# Allegro board iMX6Rex module.brd (continued)
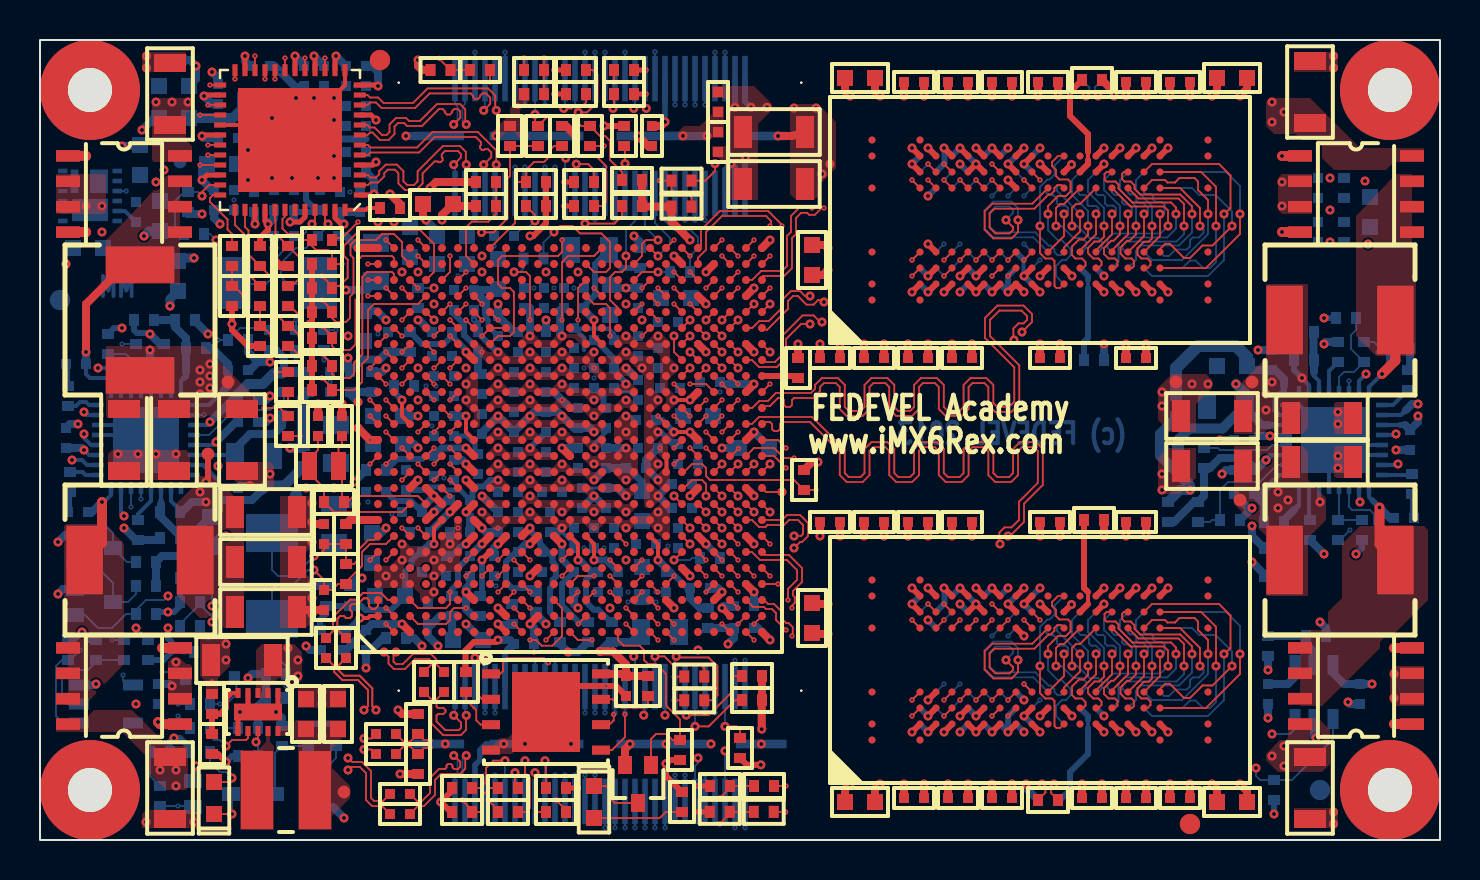
[diagram p0: board, top side]
## Nets (continued)
+DDR_VREF: C3.1 C4.1 C5.1 C6.1 C7.1 C8.1 C9.1 C10.1 C11.1 C18.2 C20.1 R11.1 R12.2 U1.AC2 U2.H1 U2.M8 U3.H1 U3.M8 U4.H1 U4.M8 U5.H1 U5.M8
+HDMI_VP: C75.1 R23.2 U1.L7
+HDMI_VPH: C76.1 R27.2 U1.M7
+LVDS_2V5: C77.1 C243.1 R34.2 U1.V7
+NVCC_CSI: C145.1 R76.1 U1.N7
+NVCC_ENET: C155.1 C156.1 R74.1 U1.R19
+NVCC_MIPI: C149.1 R78.1 U1.K7
+NVCC_RGMII: C152.1 R80.1 U1.G18
+PCIE_VP: C61.1 R13.2 U1.H7
+PCIE_VPH: C64.1 R14.2 U1.G7
+PCIE_VPTX: C62.1 FB1.2 U1.G8
+SATA_VP: C68.1 R18.2 U1.G13
+SATA_VPH: C73.1 R19.2 U1.G12
+VREF1_2V_1V5: C238.1 R135.2 U13.1
+VREF1_2V_1V375: C219.1 R120.1 U11.1
+VREF1_3V3_1V5: C237.1 R134.2 U13.5
+VREF1_3V3_1V375: C218.1 R119.2 U11.5
AUD3_CLK: J2.20 R160.2
AUD3_CLK_R: R160.1 U1.T5
AUD3_RXD: J2.22 U1.N3
AUD3_TXC: J2.16 R72.2
AUD3_TXC_R: R72.1 U1.N1
AUD3_TXD: J2.18 U1.P2
AUD3_TXFS: J2.24 U1.N4
BOARD_VARIANT_0: R111.1 R143.2 U1.G24
BOARD_VARIANT_1: R137.1 R144.2 U1.H25
BOOT_MODE: J1.50 Q9.1 R165.1
BOOT_MODE0: Q9.3 R58.2 R104.1 U1.C12
BOOT_MODE1: R57.2 R103.1 U1.F12
CFF: C179.2 U9.11
CLK1_C_N: C66.1 U1.C7
CLK1_C_P: C67.1 U1.D7
CLK1_N: C66.2 J2.46 R17.2
CLK1_P: C67.2 J2.48 R16.2
CPU_XTALI: C83.1 R37.1 R53.1 U1.A7 Y1.1
CPU_XTALO: C84.1 R53.2 U1.B7 Y1.2
CSPI2_CLK: J1.17 R159.2
CSPI2_CLK_R: R159.1 U1.U23
CSPI2_CS0: J1.19 U1.V25
CSPI2_MISO: J1.21 U1.U24
CSPI2_MOSI: J1.23 U1.T21
CSPI3_CLK: R112.2 U10.6
CSPI3_CLK_R: R112.1 U1.P24
CSPI3_CS2: U1.R25 U10.1
CSPI3_MISO: U1.P23 U10.2
CSPI3_MOSI: U1.P22 U10.5
DRAM0_ZQ: R4.2 U2.L8
DRAM1_ZQ: R5.2 U3.L8
DRAM2_ZQ: R8.2 U4.L8
DRAM3_ZQ: R9.2 U5.L8
DRAM_A0: U1.AC14 U2.N3 U3.N3 U4.N3 U5.N3
DRAM_A1: U1.AB14 U2.P7 U3.P7 U4.P7 U5.P7
DRAM_A2: U1.AA14 U2.P3 U3.P3 U4.P3 U5.P3
DRAM_A3: U1.Y14 U2.N2 U3.N2 U4.N2 U5.N2
DRAM_A4: U1.W14 U2.P8 U3.P8 U4.P8 U5.P8
DRAM_A5: U1.AE13 U2.P2 U3.P2 U4.P2 U5.P2
DRAM_A6: U1.AC13 U2.R8 U3.R8 U4.R8 U5.R8
DRAM_A7: U1.Y13 U2.R2 U3.R2 U4.R2 U5.R2
DRAM_A8: U1.AB13 U2.T8 U3.T8 U4.T8 U5.T8
DRAM_A9: U1.AE12 U2.R3 U3.R3 U4.R3 U5.R3
DRAM_A10: U1.AA15 U2.L7 U3.L7 U4.L7 U5.L7
DRAM_A11: U1.AC12 U2.R7 U3.R7 U4.R7 U5.R7
DRAM_A12: U1.AD12 U2.N7 U3.N7 U4.N7 U5.N7
DRAM_A13: U1.AC17 U2.T3 U3.T3 U4.T3 U5.T3
DRAM_A14: U1.AA12 U2.T7 U3.T7 U4.T7 U5.T7
DRAM_A15: U1.Y12 U2.M7 U3.M7 U4.M7 U5.M7
DRAM_CAS_B: U1.AE16 U2.K3 U3.K3 U4.K3 U5.K3
DRAM_CLK0_N: R2.1 U1.AE15 U4.K7 U5.K7
DRAM_CLK0_P: R2.2 U1.AD15 U4.J7 U5.J7
DRAM_CLK1_N: R3.1 U1.AE14 U2.K7 U3.K7
DRAM_CLK1_P: R3.2 U1.AD14 U2.J7 U3.J7
DRAM_CS0_B: U1.Y16 U2.L2 U3.L2 U4.L2 U5.L2
DRAM_D0: U1.AD2 U2.D7
DRAM_D1: U1.AE2 U2.B8
DRAM_D2: U1.AC4 U2.C8
DRAM_D3: U1.AA5 U2.A3
DRAM_D4: U1.AC1 U2.C2
DRAM_D5: U1.AD1 U2.C3
DRAM_D6: U1.AB4 U2.A2
DRAM_D7: U1.AE4 U2.A7
DRAM_D8: U1.AD5 U2.E3
DRAM_D9: U1.AE5 U2.F7
DRAM_D10: U1.AA6 U2.G2
DRAM_D11: U1.AE7 U2.H7
DRAM_D12: U1.AB5 U2.H3
DRAM_D13: U1.AC5 U2.F2
DRAM_D14: U1.AB6 U2.F8
DRAM_D15: U1.AC7 U2.H8
DRAM_D16: U1.AB7 U3.E3
DRAM_D17: U1.AA8 U3.F8
DRAM_D18: U1.AB9 U3.H7
DRAM_D19: U1.Y9 U3.H3
DRAM_D20: U1.Y7 U3.H8
DRAM_D21: U1.Y8 U3.G2
DRAM_D22: U1.AC8 U3.F7
DRAM_D23: U1.AA9 U3.F2
DRAM_D24: U1.AE9 U3.D7
DRAM_D25: U1.Y10 U3.A7
DRAM_D26: U1.AE11 U3.C3
DRAM_D27: U1.AB11 U3.C2
DRAM_D28: U1.AC9 U3.C8
DRAM_D29: U1.AD9 U3.B8
DRAM_D30: U1.AD11 U3.A2
DRAM_D31: U1.AC11 U3.A3
DRAM_D32: U1.AA17 U5.E3
DRAM_D33: U1.AA18 U5.G2
DRAM_D34: U1.AC18 U5.F8
DRAM_D35: U1.AE19 U5.H7
DRAM_D36: U1.Y17 U5.H3
DRAM_D37: U1.Y18 U5.F2
DRAM_D38: U1.AB19 U5.H8
DRAM_D39: U1.AC19 U5.F7
DRAM_D40: U1.Y19 U5.D7
DRAM_D41: U1.AB20 U5.B8
DRAM_D42: U1.AB21 U5.C2
DRAM_D43: U1.AD21 U5.A7
DRAM_D44: U1.Y20 U5.A2
DRAM_D45: U1.AA20 U5.C8
DRAM_D46: U1.AE21 U5.A3
DRAM_D47: U1.AC21 U5.C3
DRAM_D48: U1.AC22 U4.D7
DRAM_D49: U1.AE22 U4.C2
DRAM_D50: U1.AE24 U4.C3
DRAM_D51: U1.AC24 U4.B8
DRAM_D52: U1.AB22 U4.A7
DRAM_D53: U1.AC23 U4.C8
DRAM_D54: U1.AD25 U4.A3
DRAM_D55: U1.AC25 U4.A2
DRAM_D56: U1.AB25 U4.E3
DRAM_D57: U1.AA21 U4.G2
DRAM_D58: U1.Y25 U4.H7
DRAM_D59: U1.Y22 U4.F7
DRAM_D60: U1.AB23 U4.H3
DRAM_D61: U1.AA23 U4.F2
DRAM_D62: U1.Y23 U4.F8
DRAM_D63: U1.W25 U4.H8
DRAM_DQM0: U1.AC3 U2.D3
DRAM_DQM1: U1.AC6 U2.E7
DRAM_DQM2: U1.AB8 U3.E7
DRAM_DQM3: U1.AE10 U3.D3
DRAM_DQM4: U1.AB18 U5.E7
DRAM_DQM5: U1.AC20 U5.D3
DRAM_DQM6: U1.AD24 U4.D3
DRAM_DQM7: U1.Y21 U4.E7
DRAM_DQS0_N: U1.AD3 U2.B7
DRAM_DQS0_P: U1.AE3 U2.C7
DRAM_DQS1_N: U1.AE6 U2.G3
DRAM_DQS1_P: U1.AD6 U2.F3
DRAM_DQS2_N: U1.AE8 U3.G3
DRAM_DQS2_P: U1.AD8 U3.F3
DRAM_DQS3_N: U1.AB10 U3.B7
DRAM_DQS3_P: U1.AC10 U3.C7
DRAM_DQS4_N: U1.AE18 U5.G3
DRAM_DQS4_P: U1.AD18 U5.F3
DRAM_DQS5_N: U1.AE20 U5.B7
DRAM_DQS5_P: U1.AD20 U5.C7
DRAM_DQS6_N: U1.AE23 U4.B7
DRAM_DQS6_P: U1.AD23 U4.C7
DRAM_DQS7_N: U1.AA24 U4.G3
DRAM_DQS7_P: U1.AA25 U4.F3
DRAM_RAS_B: U1.AB15 U2.J3 U3.J3 U4.J3 U5.J3
DRAM_RESET_B: R7.2 U1.Y6 U2.T2 U3.T2 U4.T2 U5.T2
DRAM_SDBA0: U1.AC15 U2.M2 U3.M2 U4.M2 U5.M2
DRAM_SDBA1: U1.Y15 U2.N8 U3.N8 U4.N8 U5.N8
DRAM_SDBA2: U1.AB12 U2.M3 U3.M3 U4.M3 U5.M3
DRAM_SDCKE0: R6.2 U1.Y11 U2.K9 U3.K9 U4.K9 U5.K9
DRAM_SDODT0: U1.AC16 U2.K1 U3.K1 U4.K1 U5.K1
DRAM_WE_B: U1.AB16 U2.L3 U3.L3 U4.L3 U5.L3
EN_1V375: Q5.3 R93.2 R132.1 U11.27
ENET_LED_LINK: J1.56 R81.2
ENET_LED_RX: J1.55 R82.2
ENET_REF_CLK: R36.2 U1.V22
ENET_REF_CLK_R: R36.1 R99.2 U8.41
ETH_ISET: R84.1 U8.48
ETH_OSCI_25MHZ: C175.1 U8.46 Y3.2
ETH_OSCO_25MHZ: C176.1 U8.45 Y3.1
FB1_2V5: R147.1 R150.2 U13.11
FB1_3V3: R123.1 R126.2 U11.11
FB_3V0_SNVS: R138.1 R139.2 U12.5
HDMI_CEC: R25.1 U1.W4
HDMI_CEC_IN: J1.44 R22.1 R24.2 R25.2
HDMI_CLK_N: J1.45 U1.J5
HDMI_CLK_P: J1.47 U1.J6
HDMI_D0_N: J1.39 U1.K5
HDMI_D0_P: J1.41 U1.K6
HDMI_D1_N: J1.46 U1.J3
HDMI_D1_P: J1.48 U1.J4
HDMI_D2_N: J1.40 U1.K3
HDMI_D2_P: J1.42 U1.K4
HDMI_DDC: R24.1 R26.2 U1.K2
HDMI_HPD: C74.2 J1.43 R21.1 U1.K1
HDMI_RESREF: R30.2 U1.J1
I2C1_SCL: J2.14 R47.1 U1.N5
I2C1_SDA: J2.12 R46.1 U1.N6
I2C2_SCL: J1.36 R28.1 U1.U5
I2C2_SDA: J1.38 R29.1 U1.T7
I2C3_SCL: J2.19 R31.1 R157.2 U1.F21
I2C3_SDA: J2.17 R32.1 R156.2 U1.D24
I2C4_SCL: J1.35 R45.1 R157.1 U1.E15
I2C4_SDA: J1.37 R44.1 R156.1 U1.D16
JTAG_MOD: R61.2 U1.H6
JTAG_NTRST: J2.41 R62.1 U1.C2
JTAG_TCK: J2.43 R92.2
JTAG_TCK_R: R92.1 U1.H5
JTAG_TDI: J2.47 R90.2
JTAG_TDI_R: R63.1 R90.1 U1.G5
JTAG_TDO: J2.45 R161.2
JTAG_TDO_R: R161.1 U1.G6
JTAG_TMS: J2.49 R64.1 U1.C3
LED1: R82.1 R94.1 U8.17
LED2: R81.1 R102.2 U8.15
LGATE1_2V5: Q6.4 U13.18
LGATE1_3V3: Q3.4 U11.18
LGATE2_1V5: Q7.4 U13.23
LGATE2_1V375: Q4.4 U11.23
LVDS0_CABC: J2.6 R33.1 U1.A17
LVDS0_CLK_N: J2.13 U1.V4
LVDS0_CLK_P: J2.15 U1.V3
LVDS0_PWM: J2.5 U1.F18
LVDS0_TX0_N: J2.2 U1.U2
LVDS0_TX0_P: J2.4 U1.U1
LVDS0_TX1_N: J2.8 U1.U4
LVDS0_TX1_P: J2.10 U1.U3
LVDS0_TX2_N: J2.1 U1.V2
LVDS0_TX2_P: J2.3 U1.V1
LVDS0_TX3_N: J2.7 U1.W2
LVDS0_TX3_P: J2.9 U1.W1
NETC88_1: C88.1 U6.4
NETC211_2: C211.2 R122.1
NETC212_1: C212.1 R121.2
NETC230_2: C230.2 R145.1
NETC231_1: C231.1 R146.2
NETD2_1: D2.1 Q1.3
NETD2_2: D2.2 R113.1
NETD3_1: D3.1 Q2.3
NETD3_2: D3.2 R114.1
NETQ5_1: Q5.1 Q8.3 R131.1
NETR106_1: R106.1 U12.8
NETR109_2: R109.2 U10.7
NETR110_1: R110.1 U10.3
NETR121_1: R121.1 U11.24
NETR122_2: R122.2 U11.17
NETR124_1: R124.1 U11.31
NETR125_2: R125.2 U11.12
NETR128_1: R128.1 R133.2 U11.2
NETR145_2: R145.2 U13.17
NETR146_1: R146.1 U13.24
NETR148_1: R148.1 U13.31
NETR149_2: R149.2 U13.12
NETR152_1: R152.1 R155.2 U13.2
ON_5V_LDO: R127.1 U11.4
ON_5V_LDO_2: R151.1 U13.4
ON_OFF: J1.6 R48.1 U1.D12
PCIE_C_TX_N: C63.1 U1.A3
PCIE_C_TX_P: C65.1 U1.B3
PCIE_REXT: R15.2 U1.A2
PCIE_RX_N: J2.52 U1.B1
PCIE_RX_P: J2.54 U1.B2
PCIE_TX_N: C63.2 J2.51
PCIE_TX_P: C65.2 J2.53
PCIE_WAKE: J2.39 U1.P3
PHASE1_2V5: C230.1 L4.2 Q6.5 Q6.6 Q6.7 U13.16
PHASE1_3V3: C211.1 L1.2 Q3.5 Q3.6 Q3.7 U11.16
PHASE2_1V5: C231.2 L5.1 Q7.5 Q7.6 Q7.7 U13.25
PHASE2_1V375: C212.2 L2.1 Q4.5 Q4.6 Q4.7 U11.25
PMIC_ON_REQ: Q8.1 R73.1 U1.D11
PMIC_STBY_REQ: TP3.1 U1.F11
POK_1V5: R164.1 U13.14
POK_1V5_R: R154.1 R164.2 U13.28
POK_1V375: R108.1 U13.27
POK_1V375_R: R108.2 R130.1 U11.28
POK_2V5: R163.1 U11.14
POK_2V5_R: R153.1 R163.2 U13.13
POK_3V0_SNVS: R93.1 U12.7
POK_3V3: Q1.1 R107.1 U6.3 U7.4 U9.9
POK_3V3_R: R107.2 R129.1 U11.13
POR_BN: D1.1 R60.1 R70.1 U1.C11 U6.1
REFIN2_1V5: R134.1 R135.1 R158.2 U13.32
REFIN2_1V375: R119.1 R120.2 R136.2 U11.32
RGMII_INT: R88.2 R89.1 U1.W22 U8.38
RGMII_INT_R: R88.1 U1.V21
RGMII_MDC: R85.1 R87.1 U1.V20
RGMII_MDIO: R86.1 R162.1 U1.V23
RGMII_R_MDC: R85.2 U8.36
RGMII_R_MDIO: R86.2 U8.37
RGMII_R_RXCLK: R83.2 R101.2 U8.35
RGMII_R_TXCLK: R35.1 U1.D21
RGMII_RSTN: D1.2 R65.2 R75.1 U8.42
RGMII_RSTN_R: R65.1 U1.U21
RGMII_RXCLK: R83.1 U1.B25
RGMII_RXD0: R98.1 U1.C24 U8.32
RGMII_RXD1: R97.1 U1.B23 U8.31
RGMII_RXD2: R96.1 U1.B24 U8.28
RGMII_RXD3: R95.1 U1.D23 U8.27
RGMII_RXDV: R91.1 U1.D22 U8.33
RGMII_TXCLK: R35.2 U8.24
RGMII_TXD0: U1.C22 U8.19
RGMII_TXD1: U1.F20 U8.20
RGMII_TXD2: U1.E21 U8.21
RGMII_TXD3: U1.A24 U8.22
RGMII_TXEN: U1.C23 U8.25
RSTINN: J1.8 R68.1 U7.1
RSTOUTN: J1.7 R51.2 R70.2
RSTOUTN_R: R49.1 R51.1 U1.H19
RTC_XTALI: C85.1 R54.1 U1.D9 Y2.1
RTC_XTALO: C86.1 R54.2 U1.C9 Y2.2
SATA_C_RX_N: C69.1 U1.A14
SATA_C_RX_P: C70.1 U1.B14
SATA_C_TX_N: C71.1 U1.B12
SATA_C_TX_P: C72.1 U1.A12
SATA_REXT: R20.2 U1.C14
SATA_RX_N: C69.2 J2.58
SATA_RX_P: C70.2 J2.60
SATA_TX_N: C71.2 J2.57
SATA_TX_P: C72.2 J2.59
SD2_ACT: J2.11 U1.T3
SD2_CD: J2.38 R42.1 U1.F16
SD2_CLK: J2.36 R66.2
SD2_CLK_R: R66.1 U1.C21
SD2_CMD: J2.21 R41.1 R52.2
SD2_CMD_R: R52.1 U1.F19
SD2_DATA0: J2.26 U1.A22
SD2_DATA1: J2.23 U1.E20
SD2_DATA2: J2.28 U1.A23
SD2_DATA3: J2.25 U1.B22
SD2_DATA4: J2.30 U1.A19
SD2_DATA5: J2.27 U1.B18
SD2_DATA6: J2.32 U1.E17
SD2_DATA7: J2.29 U1.C18
SD2_WP: J2.34 R43.1 U1.D17
SD3_CD: J1.34 R39.1 U1.A18
SD3_CLK: J1.27 R50.2
SD3_CLK_R: R50.1 U1.D14
SD3_CMD: J1.33 R1.2 R38.1
SD3_CMD_R: R1.1 U1.B13
SD3_DATA0: J1.29 U1.E14
SD3_DATA1: J1.30 U1.F14
SD3_DATA2: J1.31 U1.A15
SD3_DATA3: J1.32 U1.B15
SD3_WP: J1.25 R40.1 U1.C17
SENSE_1V5: R59.1 R67.2 U6.5
SW_3V0_SNVS: L3.1 U12.9
SW_EP: U9.3 U9.4 U9.5 U9.6 U9.14
TAMPER: R55.1 U1.E11
TEST_MODE: R56.2 U1.E12
TRD0_N: J1.57 U8.3
TRD0_P: J1.59 U8.2
TRD1_N: J1.51 U8.6
TRD1_P: J1.53 U8.5
TRD2_N: J1.58 U8.8
TRD2_P: J1.60 U8.7
TRD3_N: J1.52 U8.11
TRD3_P: J1.54 U8.10
UART1_CTS: J1.11 U1.G21
UART1_DCD: J1.16 U1.D25
UART1_DSR: J1.9 U1.G22
UART1_DTR: J1.15 U1.F22
UART1_RI: J1.10 U1.F23
UART1_RTS: J1.13 U1.G20
UART1_RXD: J1.14 U1.M3
UART1_TXD: J1.12 U1.M1
UART2_CTS: J2.31 U1.B20
UART2_RTS: J2.33 U1.C19
UART2_RXD: J2.35 U1.E18
UART2_TXD: J2.37 U1.D19
UGATE1_2V5: Q6.1 U13.15
UGATE1_3V3: Q3.1 U11.15
UGATE2_1V5: Q7.1 U13.26
UGATE2_1V375: Q4.1 U11.26
USB0_ID: J1.20 U1.T4
USB0_N: J1.22 U1.B6
USB0_P: J1.24 U1.A6
USB0_PWR_EN: J1.26 U1.E23
USB1_N: J2.40 U1.F10
USB1_P: J2.42 U1.E10
USB1_PWR_EN: J2.44 U1.H21
USB_OC: J1.28 R100.1 U1.H20 U1.J20
USER_LED: Q2.1 R115.1 U1.T1
WD_OUT: R71.1 U1.R22
WD_OUT_R: R69.1 R71.2 U7.2
ZQPAD: R10.1 U1.AE17

Pads without a net: FID1 1; FID2 1; FID3 1; FID4 1; J1 49 65 66; J2 65 66; U1 A9 A10 A11 A16 A20 A21 AA1 AA2 AA3 AA4 AA11 AB1 AB2 AB17 AD17 B8 B9 B10 B11 B16 B17 B19 B21 C5 C8 C13 C15 C16 C20 C25 D1 D2 D4 D5 D13 D15 D18 D20 E1 E2 E3 E4 E13 E16 E19 E22 E24 E25 F1 F2 F3 F4 F13 F15 F17 F24 F25 G1 G2 G4 G23 G25 H1 H2 H3 H4 H22 H23 H24 J19 J21 J22 J23 J24 J25 K20 K21 K22 K23 K24 K25 L1 L3 L4 L6 L20 L21 L22 L23 L24 L25 M2 M4 M5 M6 M20 M21 M22 M23 M24 M25 N2 N19 N20 N21 N22 N23 N24 N25 P1 P4 P5 P6 P20 P21 P25 R1 R2 R3 R4 R5 R6 R7 R20 R21 R23 R24 T2 T6 T20 T22 T23 T24 T25 U6 U7 U20 U22 U25 V5 V6 V24 W5 W6 W20 W21 W23 W24 Y1 Y2 Y3 Y4; U2 J1 J9 L1 L9 MECH01 MECH02 MECH03 MECH04 MECH05 MECH06 MECH07 MECH08 MECH09 MECH10 MECH11 MECH12 MECH13 MECH14 MECH15 MECH16; U3 J1 J9 L1 L9 MECH01 MECH02 MECH03 MECH04 MECH05 MECH06 MECH07 MECH08 MECH09 MECH10 MECH11 MECH12 MECH13 MECH14 MECH15 MECH16; U4 J1 J9 L1 L9 MECH01 MECH02 MECH03 MECH04 MECH05 MECH06 MECH07 MECH08 MECH09 MECH10 MECH11 MECH12 MECH13 MECH14 MECH15 MECH16; U5 J1 J9 L1 L9 MECH01 MECH02 MECH03 MECH04 MECH05 MECH06 MECH07 MECH08 MECH09 MECH10 MECH11 MECH12 MECH13 MECH14 MECH15 MECH16; U8 43; U11 9; U13 9

## Via types
v1: diameter 0.45, hole 0.2, TOP to BOTTOM, 761 vias
v2: diameter 0.27, hole 0.1, TOP to L2, 305 vias
v3: diameter 0.27, hole 0.1, L2 to L3, 290 vias
v4: diameter 0.45, hole 0.2, L3 to L10, 197 vias
v5: diameter 0.27, hole 0.1, L10 to L11, 142 vias
v6: diameter 0.27, hole 0.1, L11 to BOTTOM, 185 vias

## Routing (per net, layer and track width the routed paths; a pad name or vN(x,y) marks a point on that pad's centre or on a via; arc(x,y) is an arc through that point)
+1V1_NVCC_PLL_OUT: length 10.5
  TOP w0.2: v1(19.7,14.8) 19.7,15.6 U1.E8
  BOTTOM w0.3: R77.2 14,11 14.3,11.3 R79.2 R105.1 16.07,11.7 16.27,11.5 17.55,11.5 C151.1 18.25,13.41 18.57,13.74 18.57,13.98 19,14.4 C150.1 19.05,14.35
  BOTTOM w0.4: v1(19.7,14.8) 19.5,14.8 C150.1
+1V1_VDDSOC_CAP: length 11.6
  TOP w0.4: v1(26.1,19.6) U1.N12
  BOTTOM w0.15: C113.1 28.9,22.4 29.47,22.4 29.87,22 C114.1 ; C116.1 C115.1
  BOTTOM w0.4: v1(29.3,17.2) U1.T10 C115.1 ; FB1.1 20.6,10.05 R13.1 20,11.2 19.6,10.8 C78.1 19.4,10.2 v1(19.9,9.7) ; R18.1 C246.1 15.5,22.3 v1(15.9,21.9) ; R23.1 24.8,11.3 v1(25.3,10.8) ; v1(26.1,19.6) C138.1
  vias: v1(29.3,21.2) v1(29.3,20.4)
+1V2_ETH: length 6.2
  BOTTOM w0.4: FB5.1 11.1,35.5 10.8,35.8 10.8,36.2 10.25,36.75 ; R105.2 15.9,13.1 v1(16.1,13.1)
  BOTTOM w0.5: FB4.1 10.25,36.7 9.65,36.1 FB3.1 7.35,36.1
  vias: v1(5.8,32.9) v1(6.2,33.5)
+1V2_ETH_AVDDL: length 7.5
  TOP w0.25: U8.4 16.65,33.75 v1(16.8,33.9) ; v1(16.8,36) 16.55,36.25 U8.9
  BOTTOM w0.3: 14.3,35.05 13.95,35.4 C186.1
  BOTTOM w0.35: 16.3,35.05 14.3,35.05
  BOTTOM w0.4: FB4.2 12.35,36.4 13.5,36.4 13.9,36 13.9,35.4
+1V2_ETH_AVDDL_PLL: length 8.1
  TOP w0.25: v1(12.5,30.9) 13,30.9 13.25,31.15 U8.44
  BOTTOM w0.3: 13.9,31.4 14,31.4 C192.1 ; 13.9,31.4 12.7,31.4 ; 13.9,31.4 13.3,32 13.3,33.07 12.37,34 C191.1
  BOTTOM w0.4: C191.1 12.35,33.9 ; 12.35,33.9 12.45,33.9 ; 12.35,33.9 11.3,33.9 FB5.2 ; C193.1 12.7,31.1 v1(12.5,30.9)
+1V2_ETH_DVDDL: length 12.3
  TOP w0.25: U8.18 v1(12.75,39.2) ; U8.26 8.2,37.25 v1(8.2,37.2) ; U8.23 v1(10.25,39.2) ; v1(10.75,30.8) U8.39 ; v1(14.8,39.2) 14.75,39.15 U8.14 ; v1(8.1,35.2) 8.1,35.1 8.25,35.25 U8.30
  BOTTOM w0.4: v1(14.8,39.2) C185.1 ; C248.1 13.2,38.75 v1(12.75,39.2) ; v1(8.1,35.2) 8.2,35.1 C183.1 ; C184.1 8.6,36.8 v1(8.2,37.2) ; v1(10.75,30.8) 10.75,31.35 C182.1 ; FB3.2 5.7,36.1 v1(5.1,35.5) ; 7.35,37.6 C180.1 7.8,38.05 v1(7.8,38.7) 7.5,39 C181.1 ; v1(10.25,39.2) 10.25,38.95 C249.1
+1V2_VDD_ARM_CAP: length 7.2
  BOTTOM w0.2: v1(27.7,19.6) 27.7,19.8 28.3,20.4 C97.1
  BOTTOM w0.25: C103.1 21.75,19.45 21.75,19.79 21.34,20.2 C98.1
  BOTTOM w0.35: C102.1 29.41,18.6 30.1,17.91 C106.1
  BOTTOM w0.4: v1(27.7,18) C105.1 C102.1 ; C101.1 18.7,19.8 v1(18.9,19.6)
  vias: v1(22.9,20.4) v1(22.9,18.8) v1(24.5,20.4) v1(24.5,18.8) v1(26.1,20.4) v1(26.1,18.8)
+1V5_DDR: length 82.2
  TOP w0.3: v1(45.2,27.4) U4.C1 ; U2.K8 v1(51.57,11.77) ; v1(49.2,33.8) U4.H9 ; v1(47.6,5.4) U2.F1 ; U2.G7 v1(49.2,10.2) ; v1(46,34.6) U4.D9 ; v1(46,28.2) U4.D2 ; v1(46,6.2) U2.D2 ; U2.K2 v1(51.6,6.2) ; v1(44.4,28.2) U4.B2 ; U4.K2 v1(51.6,28.2) ; v1(49.2,28.2) U4.H2 ; v1(49.2,6.2) U2.H2 ; U4.N9 v1(54,34.6) ; U4.K8 v1(51.57,33.77) ; v1(43.6,5.4) U2.A1 ; v1(48.4,33) U4.G7 ; v1(47.6,27.4) U4.F1 ; U2.N1 v1(54,5.4) ; U4.N1 v1(54,27.4) ; v1(45.2,34.6) U4.C9 ; U2.R1 v1(55.6,5.4) ; v1(45.2,12.6) U2.C9 ; v1(43.6,27.4) U4.A1 ; v1(46.8,34.6) U4.E9 ; U2.N9 v1(54,12.6) ; U4.A8 v1(43.6,33.8) ; U4.R9 v1(55.6,34.6) ; v1(45.2,5.4) U2.C1 ; v1(49.2,11.8) U2.H9 ; v1(43.6,11.8) U2.A8 ; U2.R9 v1(55.6,12.6) ; v1(46,12.6) U2.D9 ; U4.R1 v1(55.6,27.4) ; v1(44.4,6.2) U2.B2 ; v1(46.8,12.6) U2.E9
  TOP w0.4: v1(39.4,11.8) 38.65,11.8 C12.1 ; C16.1 58.85,37.45 v1(58.6,37.2) ; C15.1 41.75,37.45 v1(42,37.2) ; v1(39.4,28.5) 39.15,28.25 C17.1 ; v1(42,2.8) 41.75,2.55 C14.1 ; C27.1 v1(43.2,2.8) ; C32.1 v1(54.3,24.8) ; C13.1 58.85,2.55 v1(58.6,2.8) ; v1(56.5,37.2) C35.1 ; v1(40,15.2) C26.1 ; C31.1 v1(44.4,24.8) ; v1(42.2,15.2) C24.1 ; C21.1 v1(56.5,2.8) ; C30.1 v1(54.3,2.8) ; C33.1 v1(46.6,24.8) ; C39.1 v1(40,24.8) ; C29.1 v1(48.6,2.8) ; v1(46.6,15.2) C23.1 ; v1(48.6,37.2) C34.1 ; v1(44.4,15.2) C25.1 ; C40.1 v1(42.2,24.8) ; v1(54.3,37.2) C38.1 ; v1(46.4,37.2) C37.1 ; v1(54.3,15.2) C22.1 ; C28.1 v1(46.4,2.8) ; v1(44.2,37.2) C36.1
  BOTTOM w0.2: U13.30 63.95,16.95 v1(64,16.9) ; 49.15,29.05 49.17,29.03 49.17,28.22 v1(49.2,28.2)
  BOTTOM w0.3: U3.E9 v1(47.6,5.4) ; U2.K2 v1(51.6,6.2) ; v1(45.2,12.6) 45.22,12.58 45.22,11.83 U3.B2 ; U2.N1 v1(54,5.4) ; v1(46,33.8) U5.D2 ; U4.N1 v1(54,27.4) ; U2.R1 v1(55.6,5.4) ; U5.B2 45.22,33.83 45.22,34.57 v1(45.2,34.6) ; U4.K8 v1(51.57,33.77) ; v1(43.6,11.8) U3.A1 ; U2.R9 v1(55.6,12.6) ; U4.R1 v1(55.6,27.4) ; v1(46,27.4) U5.D9 ; v1(46,5.4) U3.D9 ; v1(49.2,6.2) U3.H9 ; v1(45.2,5.4) U2.C1 ; U2.C9 v1(46,12.6) ; v1(49.2,33.8) U5.H2 ; U4.K2 v1(51.6,28.2) ; C170.1 31.63,19.8 31.03,20.4 v1(30.9,20.4) ; U3.G7 v1(49.2,7) ; U5.A8 v1(44.4,28.2) ; v1(45.2,27.4) U4.C1 ; U3.F1 v1(48.4,12.6) ; v1(49.2,11.8) U3.H2 ; U4.N9 v1(54,34.6) ; U3.A8 v1(44.4,6.2) ; v1(43.6,33.8) U5.A1 ; U4.C9 v1(46,34.6) ; 49.15,29.05 U5.G7 ; v1(46,11.8) U3.D2 ; U5.F1 v1(48.4,34.6) ; U2.K8 v1(51.57,11.77) ; U2.N9 v1(54,12.6) ; U4.R9 v1(55.6,34.6) ; U5.E9 v1(47.6,27.4) ; U5.H9 v1(49.2,28.2)
  BOTTOM w0.4: v1(46.4,37.2) C37.1 ; v1(44.2,37.2) C36.1 ; v1(40,15.2) C26.1 ; v1(44.4,15.2) C25.1 ; C40.1 v1(42.2,24.8) ; C33.1 v1(46.6,24.8) ; C158.1 31.5,16.6 v1(30.9,17.2) 31.5,17.8 C162.1 ; v1(54.3,37.2) C38.1 ; C30.1 v1(54.3,2.8) ; v1(42.2,15.2) C24.1 ; C21.1 v1(56.5,2.8) ; C32.1 v1(54.3,24.8) ; C29.1 v1(48.6,2.8) ; C28.1 v1(46.4,2.8) ; C39.1 v1(40,24.8) ; v1(48.6,37.2) C34.1 ; v1(56.5,37.2) C35.1 ; v1(46.6,15.2) C23.1 ; v1(61.4,8.5) R59.2 ; C31.1 v1(44.4,24.8) ; C27.1 v1(43.2,2.8) ; v1(54.3,15.2) C22.1 ; v1(34.1,19.6) C172.1
  vias: v1(29.3,24.4) v1(30.1,26) v1(30.1,23.6) v1(30.9,22) v1(30.9,18.8) v1(61.9,17.4) v1(61.9,16.6) v1(62.4,17) v1(64.5,33.1) v1(66.25,32.95)
+1V375: length 15.1
  L3 w0.4: v1(8,22.9) 7.1,22.9 v1(5.5,24.5)
  BOTTOM w0.2: 5.9,23.1 6.05,22.95 U11.30
  BOTTOM w0.3: 5.5,23.6 5.5,23.5 5.9,23.1
  BOTTOM w0.4: C92.1 22.1,20.38 22.9,21.18 v1(22.9,21.2) C93.1 v1(24.5,21.2) 24.7,21.4 C94.1 25.9,21.4 v1(26.1,21.2) 26.7,20.6 C95.1 27.5,20.6 v1(27.7,20.4) ; v1(13.3,9.7) 13.5,9.5 R77.1 ; 5.5,23.6 v1(5.5,24.5) ; C111.1 v1(18.9,21.2)
  BOTTOM w0.45: v1(5.2,30.2) 5.45,30.45 FB8.2
  vias: v1(8,23.5) v1(8,22.3) v1(8.5,23.8) v1(8.5,23.2) v1(8.5,22.6) v1(16.9,30.9) v1(17.7,30.9) v1(24.5,17.2) v1(26.1,16.4) v1(27.7,16.4) v1(29.3,16.4)
+1V375_VDDSOC_IN: length 8
  BOTTOM w0.3: C119.1 27.77,25 28.7,24.07 C121.1 28.7,23.45 29.3,22.85 v1(29.3,22.8) ; C122.1 21.9,24.55 21.2,25.25 21.2,25.8 20.7,26.3 C125.1
  BOTTOM w0.4: C122.1 21.9,23.5 C126.1 ; v1(17.3,26) 16.85,26.45 C128.1
  vias: v1(18.1,28.4) v1(18.9,28.4) v1(22.9,22.8) v1(24.5,22.8) v1(26.1,22.8) v1(27.7,22) v1(29.3,26.8)
+2V5: length 15
  BOTTOM w0.2: U13.10 63.45,22.75 v1(63.1,23.1)
  BOTTOM w0.3: R14.1 17.3,10 17.4,10 ; R147.2 62.7,23.5 v1(63.1,23.1)
  BOTTOM w0.4: R14.1 17.16,10.1 16.56,9.5 C244.1 v1(16.3,8.6) ; R80.2 C153.1 17.36,24.4 16.98,24.02 16.12,24.02 C247.1 15.4,23.5 v1(15.4,24.1) ; R78.2 26,9.8 v1(26.4,9.4) 26.9,9.4 R27.1 ; R74.2 30,29.9 v1(29.7,30.2) ; v1(15.7,17.9) R19.1 ; R34.1 C245.1 34.7,10.1 v1(34.4,9.8)
  BOTTOM w0.45: FB6.1 6.5,27.05 v1(6.5,26.7)
  vias: v1(61.3,22.3) v1(61.3,21.5) v1(61.6,22.9)
+2V5_ETH_DVDDH: length 19.3
  TOP w0.25: v1(13.7,39.2) 13.75,39.15 U8.16 ; v1(8.1,33) 8.35,33.25 U8.34 ; v1(11.4,30.8) 11.25,30.95 U8.40
  TOP w0.3: R91.2 R97.2 13.6,24.4 v1(13.5,24.4) 13.6,24.5 R96.2 13.6,25.8 ; 13.6,28.9 R75.2 R95.2 R98.2 13.6,25.8 ; 13.6,25.8 v1(13.5,25.8) ; R89.2 11,30.1 11.4,30.5 v1(11.4,30.8) ; R87.2 v1(9.6,25.8) 9.6,25.5 10.4,24.7 R162.2
  TOP w0.4: v1(18.9,39) 18.9,38.7 19.1,38.5 R94.2
  BOTTOM w0.4: C195.1 8.7,31.1 v1(9,30.8) ; v1(11.4,30.8) 11.7,31.1 C198.1 ; C197.1 8.65,32.45 v1(8.1,33) 8.1,33.55 C194.1 ; v1(13.7,39.2) C196.1
  BOTTOM w0.45: FB6.2 7.05,29.1 v1(7.7,29.1)
+2V5_VDDHIGH_VPH: length 6.7
  BOTTOM w0.25: C139.2 21,17.5 20.07,17.5 19.92,17.65 19.48,17.65 19.33,17.5
  BOTTOM w0.3: C139.2 21.62,17.13 21.62,17.4 21.9,17.68 22.17,17.68 22.5,18 v1(22.9,18) ; 14.75,16.8 14.7,16.85 ; C140.1 19.33,17.5
  BOTTOM w0.4: C141.1 14.75,16.8 v1(15.8,16.8)
+3V0_ALWAYS: length 16.6
  TOP w0.3: R138.2 8.9,4.3 v1(9.3,3.9)
  TOP w0.4: v1(21.3,18.8) U1.G11
  TOP w0.7: L3.2 13.85,2.4
  BOTTOM w0.3: R55.2 R103.2 7,11.7 6.7,11.4 v1(6.4,11.4) 5.9,11.4 R73.2 ; v1(64.2,26.1) R153.2 ; R130.2 3.7,25.6 v1(4.1,25.6) ; R104.2 13.5,5.8 v1(14.1,5.8) 14.7,5.8 R165.2 ; R154.2 66.1,14.6 v1(65.8,14.3) ; v1(61.7,1.3) R60.2 ; v1(6.4,10.6) 6.4,10.08 6.57,9.9 6.57,9.4 6.17,9 R48.2 ; v1(9.3,3.9) 9.6,4.2 R106.2
  BOTTOM w0.4: U6.6 64.65,8.35 65.2,7.8 C87.1 v1(66.6,7.8) ; C142.1 21.1,19 v1(21.3,18.8) ; 14.7,18.75 C137.1 ; v1(22.1,17.2) C136.1
  vias: v1(14.1,5.2) v1(14.7,17.6)
+3V3: length 67.8
  TOP w0.2: v1(27.7,14) 27.7,14.8 U1.P7
  TOP w0.25: v2(32.89,2.71) 32.9,2.7 R31.2 ; v2(26.2,31.7) R44.2 ; v2(32.9,1.4) 32.91,1.41 R32.2 ; v2(26.2,32.9) R45.2 ; v2(25.7,37.3) R29.2 ; v2(25.7,38.5) R28.2 ; R39.2 v2(30.3,38.5) ; R100.2 v2(30.3,37.3) ; R62.2 v2(26.9,2.6)
  TOP w0.3: v1(24.5,30.2) 24.67,30.2 25.3,30.83 R21.2 R137.2 ; R40.2 28.2,35.7 v1(28.2,35.71) ; R63.2 20.54,1.4 v1(20.04,1.9) 20.6,2.46 R64.2 ; v1(36.04,3.76) 35.34,3.76 R33.2 ; R110.2 21.27,8.43 21.27,9.48 21.7,9.9 22.8,9.9 v1(22.9,10) ; R114.2 31.3,3.2 v1(31.3,3.82) 31.48,4 R115.2 ; TP6.1 8.4,18 v1(8.3,17.9)
  TOP w0.4: U10.8 29.19,8.31 C203.1 ; v1(32.5,30) 31.57,30.93 R49.2 30.13,31.67 R38.2 R22.2 ; v1(22.9,14.8) U1.J7 ; v1(20.1,31) 20.1,31.25 FB7.1 20.75,31.7 R111.2 ; v1(28,9.43) 28.65,9.43 29.3,8.78 C203.1 ; C203.1 R109.1 ; v1(36.09,5.54) 36.09,6.99 R46.2 R47.2
  L2 w0.25: v3(32.89,2.31) v2(32.89,2.71) ; v3(26.6,2.3) v2(26.9,2.6) ; v3(25.4,37.6) v2(25.7,37.3) ; v3(30.3,38.1) v2(30.3,38.5) ; v2(32.9,1.4) v3(33.2,1.7) ; v2(30.3,37.3) v3(30.6,37.6) ; v2(26.2,32.9) v3(26.5,32.6) ; v2(26.2,31.7) v3(26.5,32) ; v3(25.7,38.1) v2(25.7,38.5)
  L3 w0.2: 29.87,37.95 29.9,37.92
  L3 w0.25: v3(26.6,2.3) 27,2.3 v4(27.1,2.4) ; v3(33.2,1.7) 33.48,1.7 v4(33.6,1.82) 33.6,2.02 33.31,2.31 v3(32.89,2.31) ; v3(25.4,37.6) 25.3,37.7 v4(25.3,38) 25.4,38.1 v3(25.7,38.1) ; v3(30.3,38.1) 30.07,38.1 v4(29.87,37.9) 29.89,37.9 30.19,37.6 v3(30.6,37.6) ; v3(26.5,32) 26.3,32 v4(26,32.3) 26.3,32.6 v3(26.5,32.6)
  BOTTOM w0.2: 7.1,16.4 7,16.5 ; 7,16.5 R123.2 ; 7,16.5 6.55,16.95 U11.10
  BOTTOM w0.28: J2.50 23.25,9.35 23.4,9.5
  BOTTOM w0.3: R69.2 2.5,10 v1(2.1,10.4) 1.7,10 R68.2 ; R129.2 6.5,4.9 v1(6.7,5.1) 7,5.1 7.5,4.6 R113.2
  BOTTOM w0.35: v1(27.7,14) 28.3,14 C163.1
  BOTTOM w0.4: v1(28,9.43) 28.47,9.9 R76.2 29.55,9.9 C147.1 ; v1(24.5,25.2) 24.5,26.6 C166.1 ; v1(22.9,14.8) 22.7,14.6 C174.1 ; 7.1,16.4 7.6,16.9 v1(8.3,16.9) ; v1(15.3,27.5) 16.35,27.5 C148.1 ; v1(10.4,8.1) 10.6,8.3 R43.2 R42.2 10.9,6.7 R41.2 ; C144.1 26,26.5 26,25.3 v1(26.1,25.2) ; v1(22.9,10) 23.5,10 C1.1 23.4,9.5
  vias: v1(1.3,28.8) v1(4.8,6.8) v1(8,17.4) v1(21.3,22.8) v1(21.3,22)
